# KiCad board ShinyAddOn_panel_1.kicad_pcb (continued)
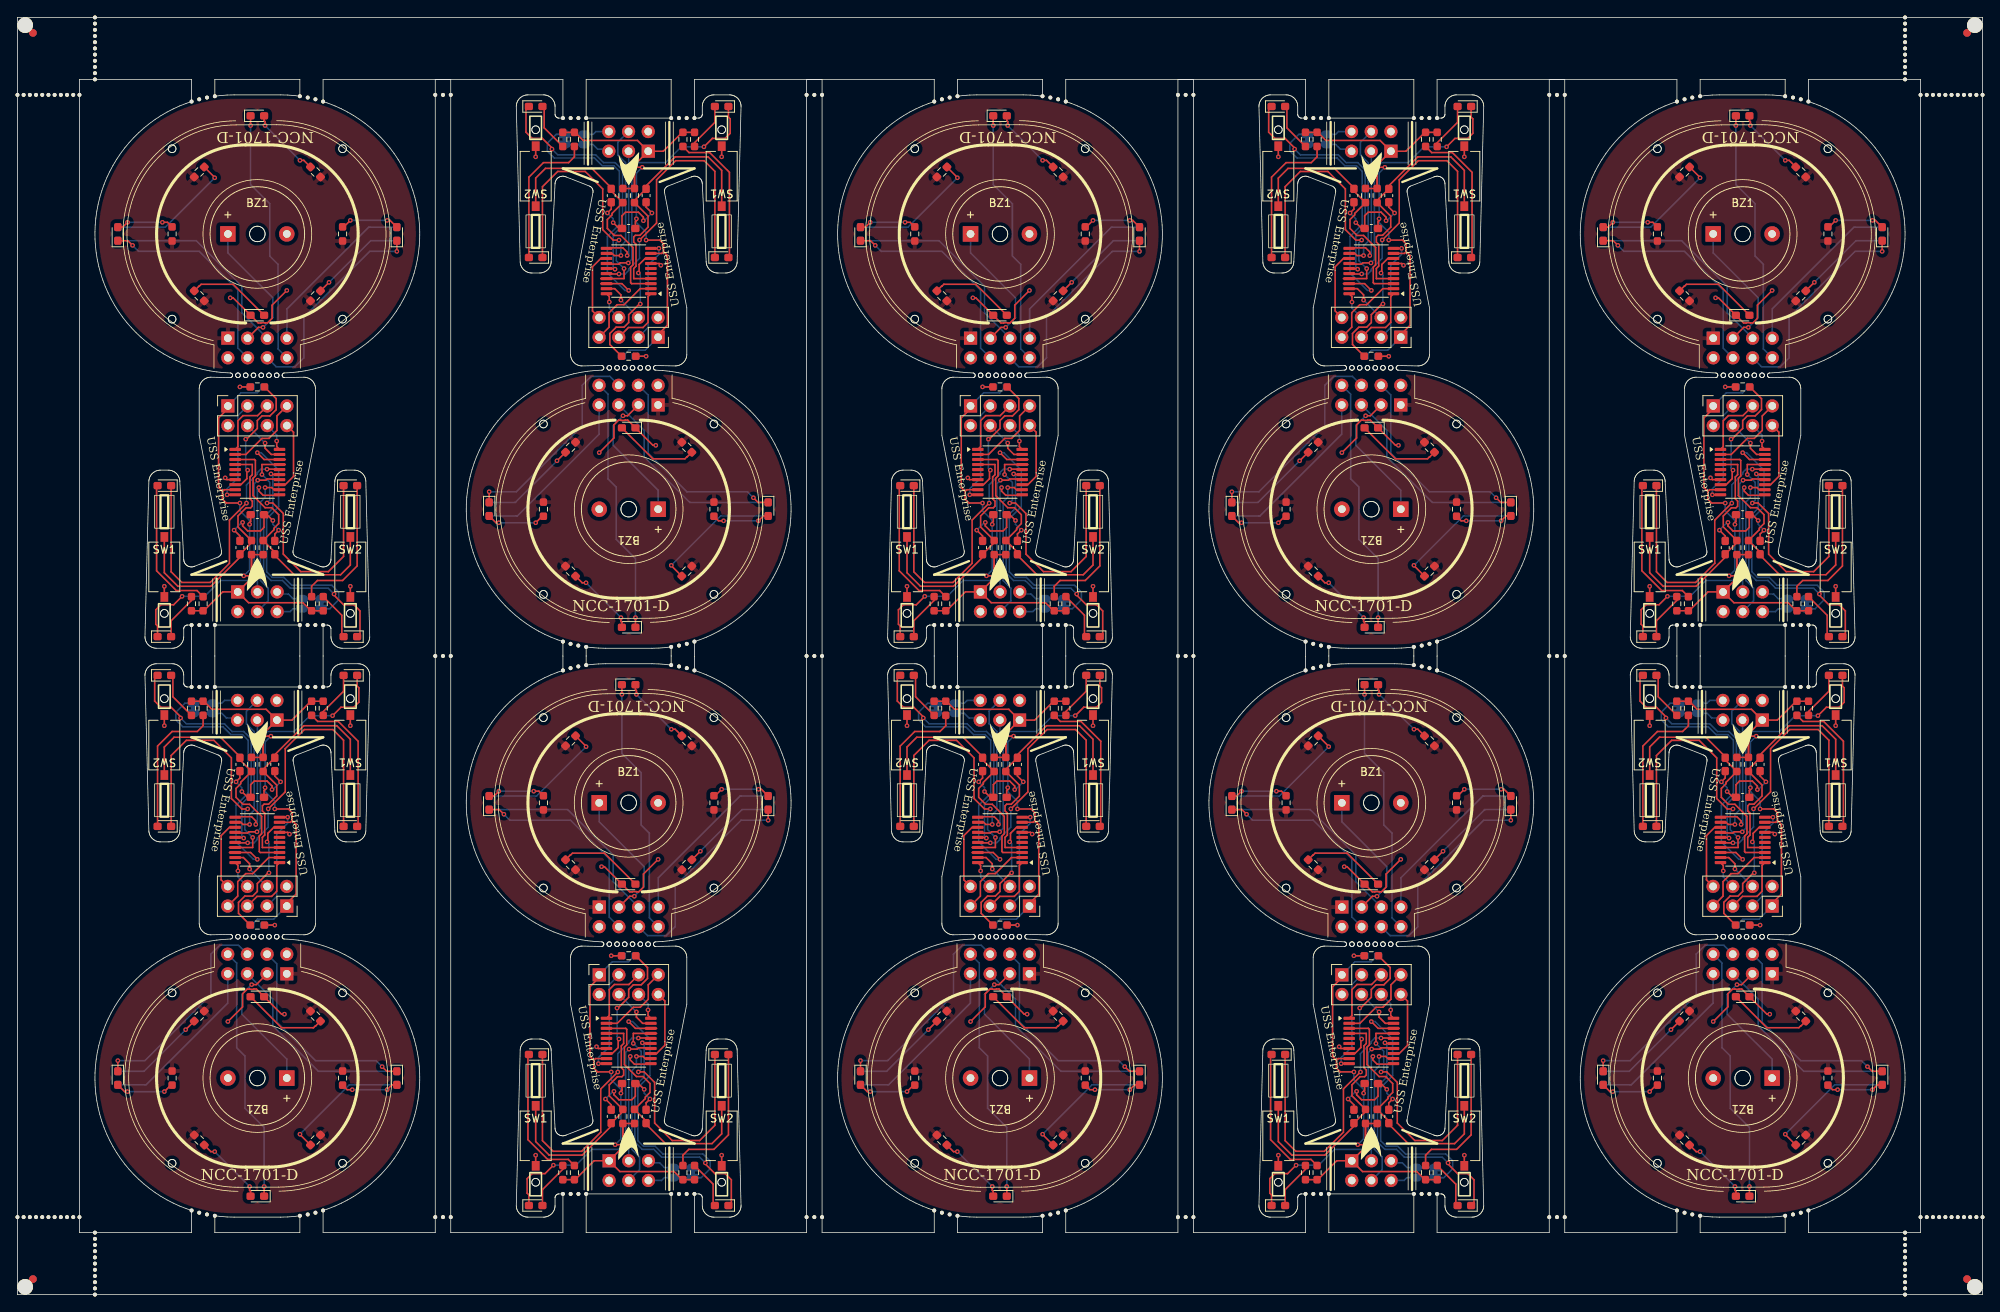
[diagram p0: board, top side]
## Nets (continued)
Board_2-/LED dish bottom l: D10#9.1 J1#8.5 J4.5 U1#3.1
Board_2-/LED dish bottom r: D11#8.1 J1#8.7 J4.7 U1#3.2
Board_2-/LED dish top left: D8#3.1 J1#8.4 J4.4 U1#3.19
Board_2-/LED dish top right: D9#6.1 J1#8.6 J4.6 U1#3.20
Board_2-/red_gondeln_left: D6#8.1 U1#3.16
Board_2-/red_gondeln_right: D7#4.1 U1#3.17
Board_2-/SCL: J5#8.4 U1#3.12
Board_2-/SDA: J5#8.3 U1#3.11
Board_2-/sw1: C1#2.1 R9#10.2 SW1#2.1 U1#3.4
Board_2-/sw2: C2#2.1 R8#6.2 SW2#4.1 U1#3.3
Board_2-GND: BZ1#6.2 C1#2.2 C2#2.2 C3#7.2 D1#5.1 J1#8.2 J4.2 J5#8.2 SW1#2.2 SW2#4.2 U1#3.7
Board_2-Net-(D1-A): D1#5.2 R1#8.2
Board_2-Net-(D2-K): D2#9.1 R2#6.1
Board_2-Net-(D3-A): D3#2.2 R3#7.2
Board_2-Net-(D4-A): D4#10.2 R4#6.2
Board_2-Net-(D5-A): D5.2 R5#7.2
Board_2-Net-(D6-A): D6#8.2 R6#8.2
Board_2-Net-(D7-A): D7#4.2 R7#10.2
Board_2-Net-(D8-A): D8#3.2 R10.2
Board_2-Net-(D9-A): D9#6.2 R11#2.2
Board_2-Net-(D10-A): D10#9.2 R12#2.2
Board_2-Net-(D11-A): D11#8.2 R13#6.2
Board_2-Net-(JP1-B): JP1#9.2 U1#3.18
Board_2-Net-(U1-PD0): R2#6.2 U1#3.8
Board_2-unconnected-(U1-PA1-Pad5): U1#3.5
Board_2-unconnected-(U1-PA2-Pad6): U1#3.6
Board_2-VCC: C3#7.1 D2#9.2 J1#8.1 J4.1 J5#8.1 R1#8.1 R3#7.1 R4#6.1 R5#7.1 R6#8.1 R7#10.1 R8#6.1 R9#10.1 R10.1 R11#2.1 R12#2.1 R13#6.1 U1#3.9
Board_3-/blue gondeln left: D4#6.1 U1#7.14
Board_3-/blue gondeln right: D3#7.1 U1#7.15
Board_3-/blue_front: D5#3.1 J1#7.8 J4#6.8 U1#7.13
Board_3-/buzzer: BZ1#4.1 J1#7.3 J4#6.3 U1#7.10
Board_3-/GPIO1: J3#5.2 J5#5.5 JP1.1
Board_3-/GPIO2: J3#5.1 J5#5.6
Board_3-/LED dish bottom l: D10#10.1 J1#7.5 J4#6.5 U1#7.1
Board_3-/LED dish bottom r: D11.1 J1#7.7 J4#6.7 U1#7.2
Board_3-/LED dish top left: D8#6.1 J1#7.4 J4#6.4 U1#7.19
Board_3-/LED dish top right: D9.1 J1#7.6 J4#6.6 U1#7.20
Board_3-/red_gondeln_left: D6#6.1 U1#7.16
Board_3-/red_gondeln_right: D7#10.1 U1#7.17
Board_3-/SCL: J5#5.4 U1#7.12
Board_3-/SDA: J5#5.3 U1#7.11
Board_3-/sw1: C1#7.1 R9#6.2 SW1#9.1 U1#7.4
Board_3-/sw2: C2.1 R8#2.2 SW2#8.1 U1#7.3
Board_3-GND: BZ1#4.2 C1#7.2 C2.2 C3#2.2 D1#4.1 J1#7.2 J4#6.2 J5#5.2 SW1#9.2 SW2#8.2 U1#7.7
Board_3-Net-(D1-A): D1#4.2 R1#2.2
Board_3-Net-(D2-K): D2#3.1 R2#9.1
Board_3-Net-(D3-A): D3#7.2 R3#5.2
Board_3-Net-(D4-A): D4#6.2 R4.2
Board_3-Net-(D5-A): D5#3.2 R5#5.2
Board_3-Net-(D6-A): D6#6.2 R6#10.2
Board_3-Net-(D7-A): D7#10.2 R7#4.2
Board_3-Net-(D8-A): D8#6.2 R10#3.2
Board_3-Net-(D9-A): D9.2 R11#9.2
Board_3-Net-(D10-A): D10#10.2 R12#8.2
Board_3-Net-(D11-A): D11.2 R13#8.2
Board_3-Net-(JP1-B): JP1.2 U1#7.18
Board_3-Net-(U1-PD0): R2#9.2 U1#7.8
Board_3-unconnected-(U1-PA1-Pad5): U1#7.5
Board_3-unconnected-(U1-PA2-Pad6): U1#7.6
Board_3-VCC: C3#2.1 D2#3.2 J1#7.1 J4#6.1 J5#5.1 R1#2.1 R3#5.1 R4.1 R5#5.1 R6#10.1 R7#4.1 R8#2.1 R9#6.1 R10#3.1 R11#9.1 R12#8.1 R13#8.1 U1#7.9
Board_4-/blue gondeln left: D4.1 U1#9.14
Board_4-/blue gondeln right: D3#3.1 U1#9.15
Board_4-/blue_front: D5#8.1 J1#4.8 J4#4.8 U1#9.13
Board_4-/buzzer: BZ1#5.1 J1#4.3 J4#4.3 U1#9.10
Board_4-/GPIO1: J3#9.2 J5#6.5 JP1#5.1
Board_4-/GPIO2: J3#9.1 J5#6.6
Board_4-/LED dish bottom l: D10#4.1 J1#4.5 J4#4.5 U1#9.1
Board_4-/LED dish bottom r: D11#5.1 J1#4.7 J4#4.7 U1#9.2
Board_4-/LED dish top left: D8#8.1 J1#4.4 J4#4.4 U1#9.19
Board_4-/LED dish top right: D9#9.1 J1#4.6 J4#4.6 U1#9.20
Board_4-/red_gondeln_left: D6#2.1 U1#9.16
Board_4-/red_gondeln_right: D7#5.1 U1#9.17
Board_4-/SCL: J5#6.4 U1#9.12
Board_4-/SDA: J5#6.3 U1#9.11
Board_4-/sw1: C1#5.1 R9#2.2 SW1.1 U1#9.4
Board_4-/sw2: C2#3.1 R8.2 SW2#3.1 U1#9.3
Board_4-GND: BZ1#5.2 C1#5.2 C2#3.2 C3.2 D1.1 J1#4.2 J4#4.2 J5#6.2 SW1.2 SW2#3.2 U1#9.7
Board_4-Net-(D1-A): D1.2 R1#4.2
Board_4-Net-(D2-K): D2.1 R2#5.1
Board_4-Net-(D3-A): D3#3.2 R3#6.2
Board_4-Net-(D4-A): D4.2 R4#5.2
Board_4-Net-(D5-A): D5#8.2 R5#10.2
Board_4-Net-(D6-A): D6#2.2 R6#5.2
Board_4-Net-(D7-A): D7#5.2 R7.2
Board_4-Net-(D8-A): D8#8.2 R10#6.2
Board_4-Net-(D9-A): D9#9.2 R11#3.2
Board_4-Net-(D10-A): D10#4.2 R12#7.2
Board_4-Net-(D11-A): D11#5.2 R13#2.2
Board_4-Net-(JP1-B): JP1#5.2 U1#9.18
Board_4-Net-(U1-PD0): R2#5.2 U1#9.8
Board_4-unconnected-(U1-PA1-Pad5): U1#9.5
Board_4-unconnected-(U1-PA2-Pad6): U1#9.6
Board_4-VCC: C3.1 D2.2 J1#4.1 J4#4.1 J5#6.1 R1#4.1 R3#6.1 R4#5.1 R5#10.1 R6#5.1 R7.1 R8.1 R9#2.1 R10#6.1 R11#3.1 R12#7.1 R13#2.1 U1#9.9
Board_5-/blue gondeln left: D4#4.1 U1#2.14
Board_5-/blue gondeln right: D3#6.1 U1#2.15
Board_5-/blue_front: D5#4.1 J1#2.8 J4#7.8 U1#2.13
Board_5-/buzzer: BZ1.1 J1#2.3 J4#7.3 U1#2.10
Board_5-/GPIO1: J3#6.2 J5#9.5 JP1#8.1
Board_5-/GPIO2: J3#6.1 J5#9.6
Board_5-/LED dish bottom l: D10#6.1 J1#2.5 J4#7.5 U1#2.1
Board_5-/LED dish bottom r: D11#4.1 J1#2.7 J4#7.7 U1#2.2
Board_5-/LED dish top left: D8#7.1 J1#2.4 J4#7.4 U1#2.19
Board_5-/LED dish top right: D9#4.1 J1#2.6 J4#7.6 U1#2.20
Board_5-/red_gondeln_left: D6#10.1 U1#2.16
Board_5-/red_gondeln_right: D7#6.1 U1#2.17
Board_5-/SCL: J5#9.4 U1#2.12
Board_5-/SDA: J5#9.3 U1#2.11
Board_5-/sw1: C1#9.1 R9.2 SW1#5.1 U1#2.4
Board_5-/sw2: C2#4.1 R8#10.2 SW2#10.1 U1#2.3
Board_5-GND: BZ1.2 C1#9.2 C2#4.2 C3#6.2 D1#3.1 J1#2.2 J4#7.2 J5#9.2 SW1#5.2 SW2#10.2 U1#2.7
Board_5-Net-(D1-A): D1#3.2 R1.2
Board_5-Net-(D2-K): D2#7.1 R2#8.1
Board_5-Net-(D3-A): D3#6.2 R3#8.2
Board_5-Net-(D4-A): D4#4.2 R4#10.2
Board_5-Net-(D5-A): D5#4.2 R5#3.2
Board_5-Net-(D6-A): D6#10.2 R6#2.2
Board_5-Net-(D7-A): D7#6.2 R7#8.2
Board_5-Net-(D8-A): D8#7.2 R10#8.2
Board_5-Net-(D9-A): D9#4.2 R11.2
Board_5-Net-(D10-A): D10#6.2 R12.2
Board_5-Net-(D11-A): D11#4.2 R13.2
Board_5-Net-(JP1-B): JP1#8.2 U1#2.18
Board_5-Net-(U1-PD0): R2#8.2 U1#2.8
Board_5-unconnected-(U1-PA1-Pad5): U1#2.5
Board_5-unconnected-(U1-PA2-Pad6): U1#2.6
Board_5-VCC: C3#6.1 D2#7.2 J1#2.1 J4#7.1 J5#9.1 R1.1 R3#8.1 R4#10.1 R5#3.1 R6#2.1 R7#8.1 R8#10.1 R9.1 R10#8.1 R11.1 R12.1 R13.1 U1#2.9
Board_6-/blue gondeln left: D4#2.1 U1#5.14
Board_6-/blue gondeln right: D3#4.1 U1#5.15
Board_6-/blue_front: D5#7.1 J1#10.8 J4#9.8 U1#5.13
Board_6-/buzzer: BZ1#3.1 J1#10.3 J4#9.3 U1#5.10
Board_6-/GPIO1: J3#10.2 J5.5 JP1#3.1
Board_6-/GPIO2: J3#10.1 J5.6
Board_6-/LED dish bottom l: D10#8.1 J1#10.5 J4#9.5 U1#5.1
Board_6-/LED dish bottom r: D11#9.1 J1#10.7 J4#9.7 U1#5.2
Board_6-/LED dish top left: D8#4.1 J1#10.4 J4#9.4 U1#5.19
Board_6-/LED dish top right: D9#10.1 J1#10.6 J4#9.6 U1#5.20
Board_6-/red_gondeln_left: D6#7.1 U1#5.16
Board_6-/red_gondeln_right: D7#9.1 U1#5.17
Board_6-/SCL: J5.4 U1#5.12
Board_6-/SDA: J5.3 U1#5.11
Board_6-/sw1: C1.1 R9#5.2 SW1#7.1 U1#5.4
Board_6-/sw2: C2#9.1 R8#8.2 SW2#2.1 U1#5.3
Board_6-GND: BZ1#3.2 C1.2 C2#9.2 C3#5.2 D1#10.1 J1#10.2 J4#9.2 J5.2 SW1#7.2 SW2#2.2 U1#5.7
Board_6-Net-(D1-A): D1#10.2 R1#10.2
Board_6-Net-(D2-K): D2#8.1 R2#4.1
Board_6-Net-(D3-A): D3#4.2 R3#3.2
Board_6-Net-(D4-A): D4#2.2 R4#2.2
Board_6-Net-(D5-A): D5#7.2 R5#9.2
Board_6-Net-(D6-A): D6#7.2 R6#9.2
Board_6-Net-(D7-A): D7#9.2 R7#3.2
Board_6-Net-(D8-A): D8#4.2 R10#7.2
Board_6-Net-(D9-A): D9#10.2 R11#6.2
Board_6-Net-(D10-A): D10#8.2 R12#10.2
Board_6-Net-(D11-A): D11#9.2 R13#5.2
Board_6-Net-(JP1-B): JP1#3.2 U1#5.18
Board_6-Net-(U1-PD0): R2#4.2 U1#5.8
Board_6-unconnected-(U1-PA1-Pad5): U1#5.5
Board_6-unconnected-(U1-PA2-Pad6): U1#5.6
Board_6-VCC: C3#5.1 D2#8.2 J1#10.1 J4#9.1 J5.1 R1#10.1 R3#3.1 R4#2.1 R5#9.1 R6#9.1 R7#3.1 R8#8.1 R9#5.1 R10#7.1 R11#6.1 R12#10.1 R13#5.1 U1#5.9
Board_7-/blue gondeln left: D4#5.1 U1#8.14
Board_7-/blue gondeln right: D3#8.1 U1#8.15
Board_7-/blue_front: D5#9.1 J1#9.8 J4#10.8 U1#8.13
Board_7-/buzzer: BZ1#7.1 J1#9.3 J4#10.3 U1#8.10
Board_7-/GPIO1: J3#4.2 J5#4.5 JP1#7.1
Board_7-/GPIO2: J3#4.1 J5#4.6
Board_7-/LED dish bottom l: D10#5.1 J1#9.5 J4#10.5 U1#8.1
Board_7-/LED dish bottom r: D11#3.1 J1#9.7 J4#10.7 U1#8.2
Board_7-/LED dish top left: D8#9.1 J1#9.4 J4#10.4 U1#8.19
Board_7-/LED dish top right: D9#5.1 J1#9.6 J4#10.6 U1#8.20
Board_7-/red_gondeln_left: D6#4.1 U1#8.16
Board_7-/red_gondeln_right: D7#2.1 U1#8.17
Board_7-/SCL: J5#4.4 U1#8.12
Board_7-/SDA: J5#4.3 U1#8.11
Board_7-/sw1: C1#8.1 R9#3.2 SW1#10.1 U1#8.4
Board_7-/sw2: C2#6.1 R8#7.2 SW2#7.1 U1#8.3
Board_7-GND: BZ1#7.2 C1#8.2 C2#6.2 C3#8.2 D1#9.1 J1#9.2 J4#10.2 J5#4.2 SW1#10.2 SW2#7.2 U1#8.7
Board_7-Net-(D1-A): D1#9.2 R1#7.2
Board_7-Net-(D2-K): D2#2.1 R2#10.1
Board_7-Net-(D3-A): D3#8.2 R3#10.2
Board_7-Net-(D4-A): D4#5.2 R4#4.2
Board_7-Net-(D5-A): D5#9.2 R5#8.2
Board_7-Net-(D6-A): D6#4.2 R6#7.2
Board_7-Net-(D7-A): D7#2.2 R7#2.2
Board_7-Net-(D8-A): D8#9.2 R10#4.2
Board_7-Net-(D9-A): D9#5.2 R11#4.2
Board_7-Net-(D10-A): D10#5.2 R12#4.2
Board_7-Net-(D11-A): D11#3.2 R13#9.2
Board_7-Net-(JP1-B): JP1#7.2 U1#8.18
Board_7-Net-(U1-PD0): R2#10.2 U1#8.8
Board_7-unconnected-(U1-PA1-Pad5): U1#8.5
Board_7-unconnected-(U1-PA2-Pad6): U1#8.6
Board_7-VCC: C3#8.1 D2#2.2 J1#9.1 J4#10.1 J5#4.1 R1#7.1 R3#10.1 R4#4.1 R5#8.1 R6#7.1 R7#2.1 R8#7.1 R9#3.1 R10#4.1 R11#4.1 R12#4.1 R13#9.1 U1#8.9
Board_8-/blue gondeln left: D4#3.1 U1#10.14
Board_8-/blue gondeln right: D3#5.1 U1#10.15
Board_8-/blue_front: D5#2.1 J1#6.8 J4#3.8 U1#10.13
Board_8-/buzzer: BZ1#2.1 J1#6.3 J4#3.3 U1#10.10
Board_8-/GPIO1: J3#8.2 J5#10.5 JP1#10.1
Board_8-/GPIO2: J3#8.1 J5#10.6
Board_8-/LED dish bottom l: D10#7.1 J1#6.5 J4#3.5 U1#10.1
Board_8-/LED dish bottom r: D11#7.1 J1#6.7 J4#3.7 U1#10.2
Board_8-/LED dish top left: D8#10.1 J1#6.4 J4#3.4 U1#10.19
Board_8-/LED dish top right: D9#2.1 J1#6.6 J4#3.6 U1#10.20
Board_8-/red_gondeln_left: D6#3.1 U1#10.16
Board_8-/red_gondeln_right: D7#8.1 U1#10.17
Board_8-/SCL: J5#10.4 U1#10.12
Board_8-/SDA: J5#10.3 U1#10.11
Board_8-/sw1: C1#4.1 R9#4.2 SW1#6.1 U1#10.4
Board_8-/sw2: C2#10.1 R8#9.2 SW2#6.1 U1#10.3
Board_8-GND: BZ1#2.2 C1#4.2 C2#10.2 C3#4.2 D1#6.1 J1#6.2 J4#3.2 J5#10.2 SW1#6.2 SW2#6.2 U1#10.7
Board_8-Net-(D1-A): D1#6.2 R1#6.2
Board_8-Net-(D2-K): D2#5.1 R2#7.1
Board_8-Net-(D3-A): D3#5.2 R3#2.2
Board_8-Net-(D4-A): D4#3.2 R4#7.2
Board_8-Net-(D5-A): D5#2.2 R5#6.2
Board_8-Net-(D6-A): D6#3.2 R6#4.2
Board_8-Net-(D7-A): D7#8.2 R7#6.2
Board_8-Net-(D8-A): D8#10.2 R10#2.2
Board_8-Net-(D9-A): D9#2.2 R11#7.2
Board_8-Net-(D10-A): D10#7.2 R12#6.2
Board_8-Net-(D11-A): D11#7.2 R13#7.2
Board_8-Net-(JP1-B): JP1#10.2 U1#10.18
Board_8-Net-(U1-PD0): R2#7.2 U1#10.8
Board_8-unconnected-(U1-PA1-Pad5): U1#10.5
Board_8-unconnected-(U1-PA2-Pad6): U1#10.6
Board_8-VCC: C3#4.1 D2#5.2 J1#6.1 J4#3.1 J5#10.1 R1#6.1 R3#2.1 R4#7.1 R5#6.1 R6#4.1 R7#6.1 R8#9.1 R9#4.1 R10#2.1 R11#7.1 R12#6.1 R13#7.1 U1#10.9
Board_9-/blue gondeln left: D4#9.1 U1#6.14
Board_9-/blue gondeln right: D3#9.1 U1#6.15
Board_9-/blue_front: D5#5.1 J1.8 J4#8.8 U1#6.13
Board_9-/buzzer: BZ1#10.1 J1.3 J4#8.3 U1#6.10
Board_9-/GPIO1: J3#2.2 J5#7.5 JP1#4.1
Board_9-/GPIO2: J3#2.1 J5#7.6
Board_9-/LED dish bottom l: D10#3.1 J1.5 J4#8.5 U1#6.1
Board_9-/LED dish bottom r: D11#2.1 J1.7 J4#8.7 U1#6.2
Board_9-/LED dish top left: D8.1 J1.4 J4#8.4 U1#6.19
Board_9-/LED dish top right: D9#8.1 J1.6 J4#8.6 U1#6.20
Board_9-/red_gondeln_left: D6#5.1 U1#6.16
Board_9-/red_gondeln_right: D7#7.1 U1#6.17
Board_9-/SCL: J5#7.4 U1#6.12
Board_9-/SDA: J5#7.3 U1#6.11
Board_9-/sw1: C1#6.1 R9#8.2 SW1#4.1 U1#6.4
Board_9-/sw2: C2#8.1 R8#3.2 SW2#9.1 U1#6.3
Board_9-GND: BZ1#10.2 C1#6.2 C2#8.2 C3#10.2 D1#7.1 J1.2 J4#8.2 J5#7.2 SW1#4.2 SW2#9.2 U1#6.7
Board_9-Net-(D1-A): D1#7.2 R1#9.2
Board_9-Net-(D2-K): D2#10.1 R2.1
Board_9-Net-(D3-A): D3#9.2 R3#9.2
Board_9-Net-(D4-A): D4#9.2 R4#9.2
Board_9-Net-(D5-A): D5#5.2 R5#4.2
Board_9-Net-(D6-A): D6#5.2 R6.2
Board_9-Net-(D7-A): D7#7.2 R7#9.2
Board_9-Net-(D8-A): D8.2 R10#9.2
Board_9-Net-(D9-A): D9#8.2 R11#10.2
Board_9-Net-(D10-A): D10#3.2 R12#9.2
Board_9-Net-(D11-A): D11#2.2 R13#4.2
Board_9-Net-(JP1-B): JP1#4.2 U1#6.18
Board_9-Net-(U1-PD0): R2.2 U1#6.8
Board_9-unconnected-(U1-PA1-Pad5): U1#6.5
Board_9-unconnected-(U1-PA2-Pad6): U1#6.6
Board_9-VCC: C3#10.1 D2#10.2 J1.1 J4#8.1 J5#7.1 R1#9.1 R3#9.1 R4#9.1 R5#4.1 R6.1 R7#9.1 R8#3.1 R9#8.1 R10#9.1 R11#10.1 R12#9.1 R13#4.1 U1#6.9

## Via types
v1: diameter 0.6, hole 0.3, Top to Bottom, 410 vias

## Routing (per net, layer and track width the routed paths; a pad name or vN(x,y) marks a point on that pad's centre or on a via; arc(x,y) is an arc through that point)
Board_0-/blue gondeln left: length 33.4
  Top w0.2: D4#7.1 18.08,86.33 17.85,86.56 17.85,88.43 18.5,89.07 20.15,89.07 v1(21.25,90.17) ; v1(31,105.16) 32.06,105.16 32.21,105.31 33.74,105.31 U1#4.14
  Bottom w0.2: v1(21.25,90.17) 24.16,90.17 26.21,92.21 29.71,92.21 30.56,93.06 30.56,104.71 v1(31,105.16)
Board_0-/blue gondeln right: length 32.6
  Top w0.2: U1#4.15 32.8,105.88 v1(32.72,105.97) ; v1(40.86,90.46) 40.86,90.31 42.09,89.07 43.41,89.07 44.21,88.28 44.21,85.33 D3.1
  Bottom w0.2: v1(32.72,105.97) 32.96,105.73 32.96,101.54 31.76,100.34 31.76,93.16 32.71,92.21 34.21,92.21 35.21,91.21 40.11,91.21 v1(40.86,90.46)
Board_0-/blue_front: length 42.5
  Top w0.2: D5#10.1 30.08,150.83 ; U1#4.13 34.56,104.58 35.63,105.65 35.63,111.36 J4#2.8
  Bottom w0.2: J1#5.8 33.63,122.11 33.63,133.04 32.56,134.11 32.56,140.86 30.08,143.33 v1(30.08,150.96)
Board_0-/buzzer: length 31.2
  Top w0.2: J1#5.3 31.09,124.89 v1(31.69,124.89) ; v1(27.06,103.27) 28.08,103.27 U1#4.10
  Bottom w0.2: BZ1#9.1 27.16,134.51 32.96,128.71 32.96,126.16 v1(31.69,124.89) ; v1(27.06,103.27) 27.06,104.06 28.46,105.46 28.46,113.51 J4#2.3
Board_0-/GPIO1: length 5.3
  Bottom w0.2: JP1#6.1 J3#3.2 ; J5#3.5 33.79,90.46 34.96,90.46 35.56,89.86 35.96,89.86
Board_0-/GPIO2: length 3.1
  Top w0.2: 33.88,88.56 J5#3.6
  Bottom w0.2: 35.96,88.56 35.56,88.56 35.19,88.19 J5#3.6
Board_0-/LED dish bottom l: length 34.9
  Top w0.2: U1#4.1 28.46,109.49 28.46,112.85 29.11,113.5 30.99,113.5 J4#2.5
  Bottom w0.2: J1#5.5 28.96,126.78 28.96,130.21 23.08,136.08 D10#2.1
Board_0-/LED dish bottom r: length 32.7
  Top w0.2: U1#4.2 29.48,108.48 31.56,110.56 32.46,110.56 33.49,111.59 33.49,113.46 J4#2.7
  Bottom w0.2: D11#10.1 45.33,137.83 34.78,127.28 J1#5.7
Board_0-/LED dish top left: length 33.5
  Top w0.2: U1#4.19 32.76,108.48 31.96,109.28 v1(31.96,109.96) ; v1(14.86,135.48) 14.26,136.08 D8#5.1
  Bottom w0.2: J1#5.4 28.45,122.21 28.45,129.72 23.46,134.71 15.63,134.71 v1(14.86,135.48) ; J4#2.4 29.71,112.21 v1(31.96,109.96)
Board_0-/LED dish top right: length 32.1
  Top w0.2: U1#4.20 33.46,109.49 v1(33.46,110.21) ; 32.47,111.7 32.47,112.21 ; D9#7.1 v1(48.96,134.71)
  Bottom w0.2: v1(48.96,134.71) 45.46,134.71 36.96,126.21 36.96,120.96 35.81,119.81 33.39,119.81 J1#5.6 ; J4#2.6 33.46,110.99 v1(33.46,110.21)
Board_0-/red_gondeln_left: length 36.5
  Top w0.2: v1(29.56,102.19) 29.54,102.19 27.36,100.01 27.36,94.42 24.89,91.96 21.21,91.96 19.83,93.33 D6#9.1 ; v1(32.21,106.58) 33.77,106.58 U1#4.16
  Bottom w0.2: v1(32.21,106.58) 31.4,106.58 30.95,106.14 30.95,105.95 29.56,104.56 v1(29.56,102.19)
Board_0-/red_gondeln_right: length 35.9
  Top w0.2: U1#4.17 31.55,107.18 v1(31.55,105.89) ; U1#4.17 34.56,107.18 ; U1#4.17 33.08,107.18 ; v1(32.21,102.21) 32.96,102.21 34.31,100.86 34.31,95.61 36.56,93.35 40.12,93.35 42.08,95.31 D7#3.1
  Bottom w0.2: v1(31.55,105.89) 32.56,104.88 32.56,102.56 v1(32.21,102.21)
Board_0-/SCL: length 19.2
  Top w0.2: U1#4.12 33.08,103.93 32.81,104.21 v1(31.96,104.21)
  Bottom w0.2: J5#3.4 32.36,89.58 32.36,91.21 31.36,92.21 31.36,102.35 31.96,102.95 v1(31.96,104.21)
Board_0-/SDA: length 17.6
  Top w0.2: U1#4.11 33.74,103.21 31.7,103.21 31.16,103.75 v1(31.16,104.21)
  Bottom w0.2: v1(31.16,104.21) 30.96,104.01 30.96,90.75 J5#3.3 30.47,91.23
Board_0-/sw1: length 33.5
  Top w0.2: U1#4.4 30.31,107.18 30.31,105.87 30,105.57 30,102.76 30.31,102.46 30.31,101.81 30.09,101.59 29.5,101.59 28.46,100.54 28.46,99.12 R9#9.2 30.21,97.09 C1#3.1 28.71,95.21 24.96,91.46 20.71,91.46 18.96,93.21 SW1#3.1
Board_0-/sw2: length 33.3
  Top w0.2: SW2#5.1 42.96,94.21 41.7,92.95 35.71,92.95 33.21,95.46 C2#5.1 33.21,95.87 R8#4.2 33.11,98.77 33.11,98.96 33.71,99.56 33.71,100.71 32.81,101.61 31.96,101.61 30.4,103.16 30.4,105.41 30.71,105.71 30.71,107.71 30.58,107.83 U1#4.3
Board_0-GND: length 29.2
  Top w0.2: v1(27.96,98.71) 28.71,97.96 C1#3.2 ; v1(29.06,99.71) 29.06,99.26 29.71,98.61 31.36,98.61 31.82,99.07 C3#9.2 ; v1(42.96,91.46) SW2#5.2 ; C3#9.2 32.21,100.71 v1(32.96,99.96) ; C3#9.2 32.21,100.32 ; v1(18.96,91.46) SW1#3.2 ; v1(26.81,105.46) 27.03,105.23 U1#4.7 ; v1(33.71,98.71) 33.21,98.21 C2#5.2 ; v1(34.76,129.66) 32.86,127.76 32.86,126.06 32.26,125.46 31.97,125.46 31.94,125.49 31.44,125.49 31.41,125.46 31.08,125.46 D1#8.1 27.83,128.71 v1(27.46,128.71)
  Bottom w0.2: v1(27.96,98.71) 28.96,99.71 v1(29.06,99.71) ; v1(32.96,99.96) 32.96,99.46 v1(33.71,98.71)
Board_0-Net-(D1-A): length 11
  Top w0.2: R1#5.2 23.41,130.21 23.46,130.21 23.71,130.46 27.83,130.46 D1#8.2
Board_0-Net-(D2-K): length 2.7
  Top w0.2: R2#2.1 v1(28.71,117.21)
  Bottom w0.2: v1(28.71,117.21) D2#4.1
Board_0-Net-(D3-A): length 6.2
  Top w0.2: R3#4.2 41.85,87.72 41.85,85.18 D3.2
Board_0-Net-(D4-A): length 6.2
  Top w0.2: R4#8.2 22.46,89.63 19.83,87.01 D4#7.2
Board_0-Net-(D5-A): length 9.4
  Top w0.2: v1(31.96,150.96) 31.96,151.46 31.83,151.58 D5#10.2 ; v1(36.46,146.46) 36.96,146.46 R5.2
  Bottom w0.2: v1(31.96,150.96) v1(36.46,146.46)
Board_0-Net-(D6-A): length 18.4
  Top w0.2: R6#3.2 23.17,90.91 20.51,90.91 17.96,93.46 17.96,104.18 18.16,104.38
Board_0-Net-(D7-A): length 18.7
  Top w0.2: D7#3.2 43.83,94.08 41.96,92.21 38.71,92.21 37.96,91.46 R7#5.2
Board_0-Net-(D8-A): length 7.6
  Top w0.2: 19.92,137.83 R10#10.2 19.37,138.46 v1(18.71,138.46) ; v1(14.21,138.46) 13.58,137.83 D8#5.2
  Bottom w0.2: v1(14.21,138.46) v1(18.71,138.46)
Board_0-Net-(D9-A): length 7.8
  Top w0.2: v1(42.96,138.71) 42.12,137.87 R11#5.2 41.99,137.83 ; v1(47.71,138.71) 48.08,138.71 D9#7.2
  Bottom w0.2: v1(42.96,138.71) v1(47.71,138.71)
Board_0-Net-(D10-A): length 17.1
  Top w0.2: R12#3.2 25.46,144.25 v1(25.46,144.21)
  Bottom w0.2: v1(25.46,144.21) 19.08,137.83 D10#2.2
Board_0-Net-(D11-A): length 12.5
  Top w0.2: R13#3.2 v1(40.21,130.71)
  Bottom w0.2: D11#10.2 45.58,136.08 v1(40.21,130.71)
Board_0-Net-(JP1-B): length 37.2
  Top w0.2: U1#4.18 34.56,107.83 ; U1#4.18 31.83,107.83 v1(30.96,108.71) ; U1#4.18 33.08,107.83
  Bottom w0.2: v1(30.96,108.71) 31.46,108.71 33.71,106.46 33.71,101.73 32.16,100.18 32.16,93.32 32.87,92.61 34.37,92.61 35.37,91.61 40.56,91.61 41.46,90.71 41.46,89.71 40.31,88.56 JP1#6.2 40.15,88.56
Board_0-Net-(U1-PD0): length 16.7
  Top w0.2: U1#4.8 28.83,104.58 29.6,105.36 29.6,106.36 v1(29.71,106.46) ; v1(29.46,110.46) 29.57,110.46 30.96,111.84 30.96,112.86 31.56,113.46 32.57,113.46 33.39,114.27 33.39,115.69 R2#2.2
  Bottom w0.2: v1(29.46,110.46) 29.46,106.71 v1(29.71,106.46)
Board_0-VCC: length 64.3
  Top w0.2: R3#4.1 R7#5.1 37.87,88.29 36.82,89.34 29.82,89.34 J5#3.1 ; 26.46,103.71 26.68,103.93 U1#4.9 ; 26.46,103.71 26.46,102.71 26.96,102.21 v1(28.71,102.21) ; 26.46,103.71 25.96,104.21 25.96,113.21 26.71,113.96 26.71,114.21 27.25,114.75 ; R9#9.1 30.21,92.81 v1(29.21,92.81) ; R9#9.1 31.96,95.54 ; R9#9.1 30.21,92.51 J5#3.1 ; J5#3.1 26.48,90.73 24.04,88.29 R6#3.1 R4#8.1 ; C3#9.1 30.09,99.84 29.96,99.71 v1(29.96,99.46)
  Bottom w0.2: v1(28.71,102.21) 28.71,101.21 29.96,99.96 v1(29.96,99.46) 29.96,93.56 v1(29.21,92.81) ; J4#2.1 28.84,116.43 30.93,116.43 31.71,117.21 D2#4.2
Board_1-/blue gondeln left: length 33.4
  Top w0.2: v1(78.82,133.21) 77.77,133.21 77.62,133.06 76.08,133.06 U1.14 ; D4#8.1 91.74,152.04 91.97,151.81 91.97,149.95 91.33,149.3 89.67,149.3 v1(88.58,148.21)
  Bottom w0.2: v1(78.82,133.21) 79.27,133.66 79.27,145.31 80.12,146.16 83.62,146.16 85.66,148.21 v1(88.58,148.21)
Board_1-/blue gondeln right: length 32.6
  Top w0.2: v1(68.97,147.91) 68.97,148.06 67.73,149.3 66.41,149.3 65.62,150.09 65.62,153.04 D3#10.1 ; U1.15 77.02,132.49 v1(77.11,132.4)
  Bottom w0.2: v1(77.11,132.4) 76.87,132.64 76.87,136.83 78.07,138.03 78.07,145.21 77.12,146.16 75.62,146.16 74.62,147.16 69.72,147.16 v1(68.97,147.91)
Board_1-/blue_front: length 42.5
  Top w0.2: J4#5.8 74.2,127.01 74.2,132.72 75.27,133.79 U1.13 ; D5#6.1 79.74,87.54
  Bottom w0.2: J1#3.8 76.2,116.26 76.2,105.33 77.27,104.26 77.27,97.51 79.74,95.04 v1(79.74,87.41)
Board_1-/buzzer: length 31.2
  Top w0.2: v1(82.77,135.1) 81.74,135.1 U1.10 ; v1(78.13,113.48) 78.73,113.48 J1#3.3
  Bottom w0.2: BZ1#8.1 82.67,103.86 76.87,109.66 76.87,112.21 v1(78.13,113.48) ; v1(82.77,135.1) 82.77,134.31 81.37,132.91 81.37,124.86 J4#5.3
Board_1-/GPIO1: length 5.3
  Bottom w0.2: JP1#2.1 J3#7.2 ; 73.87,148.51 74.27,148.51 74.87,147.91 76.04,147.91 J5#2.5
Board_1-/GPIO2: length 3.1
  Top w0.2: 75.95,149.81 J5#2.6
  Bottom w0.2: J5#2.6 74.63,150.18 74.27,149.81 73.87,149.81
Board_1-/LED dish bottom l: length 34.9
  Top w0.2: U1.1 81.37,128.88 81.37,125.53 80.72,124.87 78.84,124.87 J4#5.5
  Bottom w0.2: D10.1 86.74,102.29 80.87,108.16 80.87,111.59 J1#3.5
Board_1-/LED dish bottom r: length 32.7
  Top w0.2: J4#5.7 76.34,124.91 76.34,126.78 77.37,127.81 78.27,127.81 80.34,129.89 U1.2
  Bottom w0.2: J1#3.7 75.05,111.09 64.49,100.54 D11#6.1
Board_1-/LED dish top left: length 33.5
  Top w0.2: v1(94.97,102.89) 95.57,102.29 D8#2.1 ; U1.19 77.07,129.89 77.87,129.09 v1(77.87,128.41)
  Bottom w0.2: v1(77.87,128.41) 80.12,126.16 J4#5.4 ; v1(94.97,102.89) 94.19,103.66 86.37,103.66 81.38,108.65 81.38,116.16 J1#3.4
Board_1-/LED dish top right: length 32.1
  Top w0.2: D9#3.1 v1(60.87,103.66) ; 77.36,126.67 77.36,126.16 ; U1.20 76.37,128.88 v1(76.37,128.16)
  Bottom w0.2: v1(76.37,128.16) 76.37,127.38 J4#5.6 ; J1#3.6 76.44,118.56 74.02,118.56 72.87,117.41 72.87,112.16 64.37,103.66 v1(60.87,103.66)
Board_1-/red_gondeln_left: length 36.5
  Top w0.2: v1(77.62,131.79) 76.06,131.79 U1.16 ; v1(80.27,136.18) 80.29,136.18 82.47,138.36 82.47,143.95 84.93,146.41 88.62,146.41 89.99,145.04 D6.1
  Bottom w0.2: v1(77.62,131.79) 78.43,131.79 78.87,132.23 78.87,132.42 80.27,133.81 v1(80.27,136.18)
Board_1-/red_gondeln_right: length 35.9
  Top w0.2: v1(78.27,132.48) 78.27,131.19 U1.17 ; U1.17 75.27,131.19 ; U1.17 76.74,131.19 ; v1(77.62,136.16) 76.87,136.16 75.52,137.51 75.52,142.76 73.26,145.02 69.71,145.02 67.74,143.06 D7.1
  Bottom w0.2: v1(78.27,132.48) 77.27,133.49 77.27,135.81 v1(77.62,136.16)
Board_1-/SCL: length 19.2
  Top w0.2: U1.12 76.74,134.44 77.02,134.16 v1(77.87,134.16)
  Bottom w0.2: v1(77.87,134.16) 77.87,135.42 78.47,136.02 78.47,146.16 77.46,147.16 77.46,148.79 J5#2.4
Board_1-/SDA: length 17.6
  Top w0.2: v1(78.67,134.16) 78.67,134.62 78.12,135.16 76.08,135.16 U1.11
  Bottom w0.2: v1(78.67,134.16) 78.87,134.36 78.87,147.62 J5#2.3 79.35,147.14
Board_1-/sw1: length 33.5
  Top w0.2: SW1#8.1 90.87,145.16 89.12,146.91 84.87,146.91 81.12,143.16 C1#10.1 79.62,141.28 R9#7.2 81.37,139.25 81.37,137.83 80.32,136.78 79.73,136.78 79.52,136.56 79.52,135.92 79.82,135.61 79.82,132.8 79.52,132.5 79.52,131.19 U1.4
Board_1-/sw2: length 33.3
  Top w0.2: U1.3 79.24,130.54 79.12,130.66 79.12,132.66 79.42,132.96 79.42,135.21 77.87,136.76 77.02,136.76 76.12,137.66 76.12,138.82 76.72,139.42 76.72,139.6 R8#5.2 76.62,142.5 C2#7.1 76.62,142.91 74.11,145.42 68.13,145.42 66.87,144.16 SW2.1
Board_1-GND: length 29.2
  Top w0.2: C1#10.2 81.12,140.41 v1(81.87,139.66) ; C3#3.2 77.62,137.66 v1(76.87,138.41) ; C3#3.2 78.01,139.3 78.47,139.76 80.12,139.76 80.77,139.11 v1(80.77,138.66) ; C3#3.2 77.62,138.05 ; v1(66.87,146.91) SW2.2 ; v1(76.12,139.66) 76.62,140.16 C2#7.2 ; v1(82.37,109.66) 81.99,109.66 D1#2.1 78.74,112.91 78.42,112.91 78.38,112.88 77.89,112.88 77.85,112.91 77.57,112.91 76.97,112.31 76.97,110.61 v1(75.07,108.71) ; v1(90.87,146.91) SW1#8.2 ; U1.7 82.79,133.14 v1(83.02,132.91)
  Bottom w0.2: v1(80.77,138.66) 80.87,138.66 v1(81.87,139.66) ; v1(76.12,139.66) 76.87,138.91 v1(76.87,138.41)
Board_1-Net-(D1-A): length 11
  Top w0.2: D1#2.2 81.99,107.91 86.12,107.91 86.37,108.16 86.41,108.16 R1#3.2
Board_1-Net-(D2-K): length 2.7
  Top w0.2: R2#3.1 v1(81.12,121.16)
  Bottom w0.2: v1(81.12,121.16) D2#6.1
Board_1-Net-(D3-A): length 6.2
  Top w0.2: D3#10.2 67.97,153.19 67.97,150.65 R3.2
Board_1-Net-(D4-A): length 6.2
  Top w0.2: R4#3.2 87.37,148.74 89.99,151.36 D4#8.2
Board_1-Net-(D5-A): length 9.4
  Top w0.2: v1(73.37,91.91) 72.87,91.91 R5#2.2 ; D5#6.2 77.99,86.79 77.87,86.91 v1(77.87,87.41)
  Bottom w0.2: v1(77.87,87.41) v1(73.37,91.91)
Board_1-Net-(D6-A): length 18.4
  Top w0.2: R6#6.2 86.66,147.46 89.32,147.46 91.87,144.91 91.87,134.19 91.67,133.99
Board_1-Net-(D7-A): length 18.7
  Top w0.2: D7.2 65.99,144.29 67.87,146.16 71.12,146.16 71.87,146.91 R7#7.2
Board_1-Net-(D8-A): length 7.6
  Top w0.2: v1(91.12,99.91) 90.46,99.91 R10#5.2 89.91,100.54 ; v1(95.62,99.91) 96.24,100.54 D8#2.2
  Bottom w0.2: v1(95.62,99.91) v1(91.12,99.91)
Board_1-Net-(D9-A): length 7.8
  Top w0.2: 67.83,100.54 R11#8.2 67.71,100.5 v1(66.87,99.66) ; D9#3.2 61.74,99.66 v1(62.12,99.66)
  Bottom w0.2: v1(66.87,99.66) v1(62.12,99.66)
Board_1-Net-(D10-A): length 17.1
  Top w0.2: R12#5.2 84.37,94.12 v1(84.37,94.16)
  Bottom w0.2: v1(84.37,94.16) 90.74,100.54 D10.2
Board_1-Net-(D11-A): length 12.5
  Top w0.2: R13#10.2 v1(69.62,107.66)
  Bottom w0.2: v1(69.62,107.66) 64.24,102.29 D11#6.2
Board_1-Net-(JP1-B): length 37.2
  Top w0.2: 76.74,130.54 U1.18 ; U1.18 77.99,130.54 v1(78.87,129.66) ; U1.18 75.27,130.54
  Bottom w0.2: v1(78.87,129.66) 78.37,129.66 76.12,131.91 76.12,136.64 77.67,138.19 77.67,145.05 76.95,145.76 75.45,145.76 74.45,146.76 69.27,146.76 68.37,147.66 68.37,148.66 69.52,149.81 JP1#2.2 69.67,149.81
Board_1-Net-(U1-PD0): length 16.7
  Top w0.2: U1.8 80.99,133.79 80.22,133.01 80.22,132.01 v1(80.12,131.91) ; v1(80.37,127.91) 80.25,127.91 78.87,126.53 78.87,125.51 78.27,124.91 77.25,124.91 76.44,124.1 76.44,122.68 R2#3.2